# Altium PCB F21-SEND-CTM.PcbDoc
Units mm, origin at the board's own origin, x right, y up, seen from the top; angles counter-clockwise.
Board outline 337.44 x 192.41 mm, 2 copper layers (Top Layer, Bottom Layer); 48 components, 0 nets, 158 pads, 19 vias.
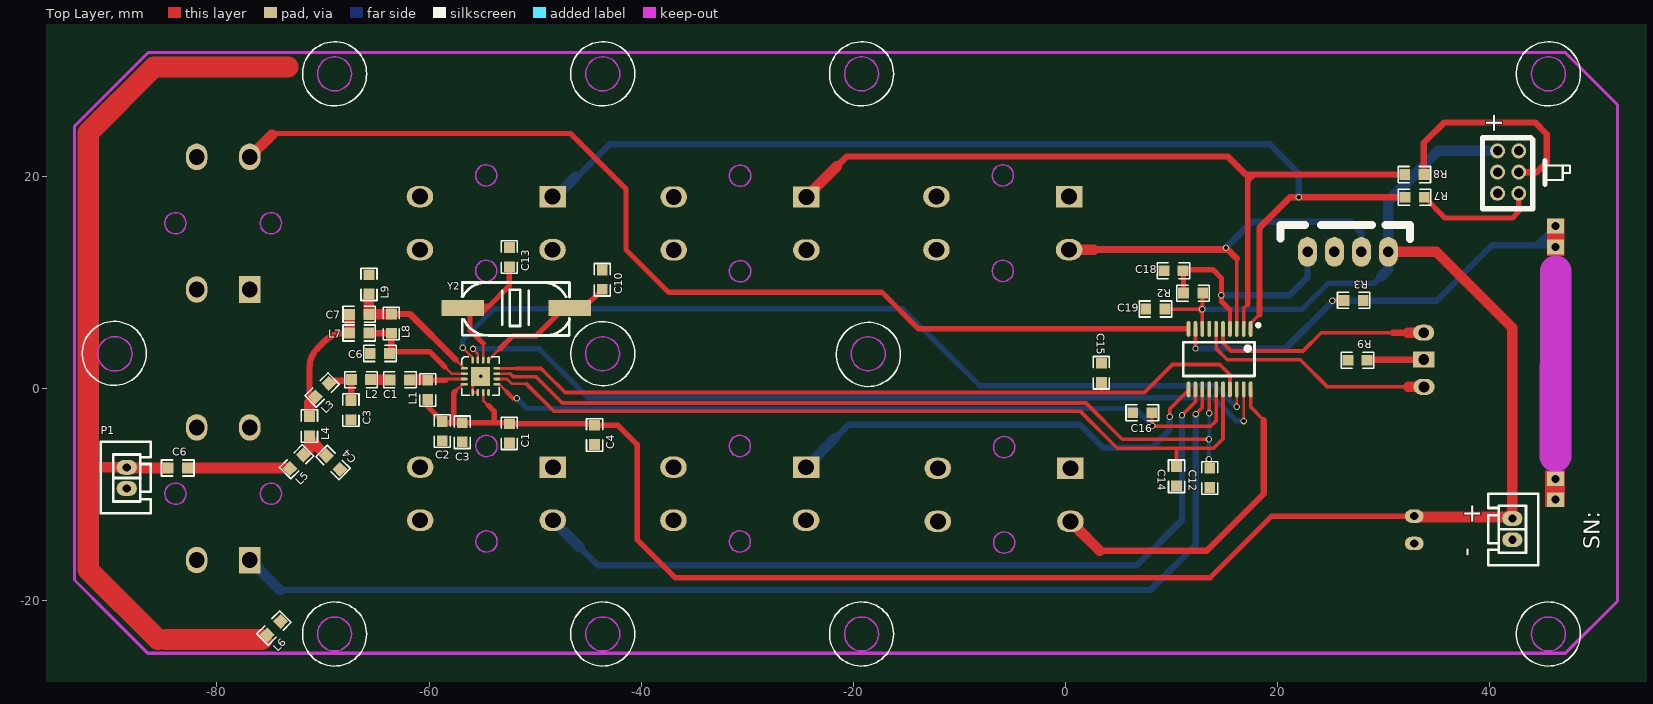
[diagram p0: Top Layer view]
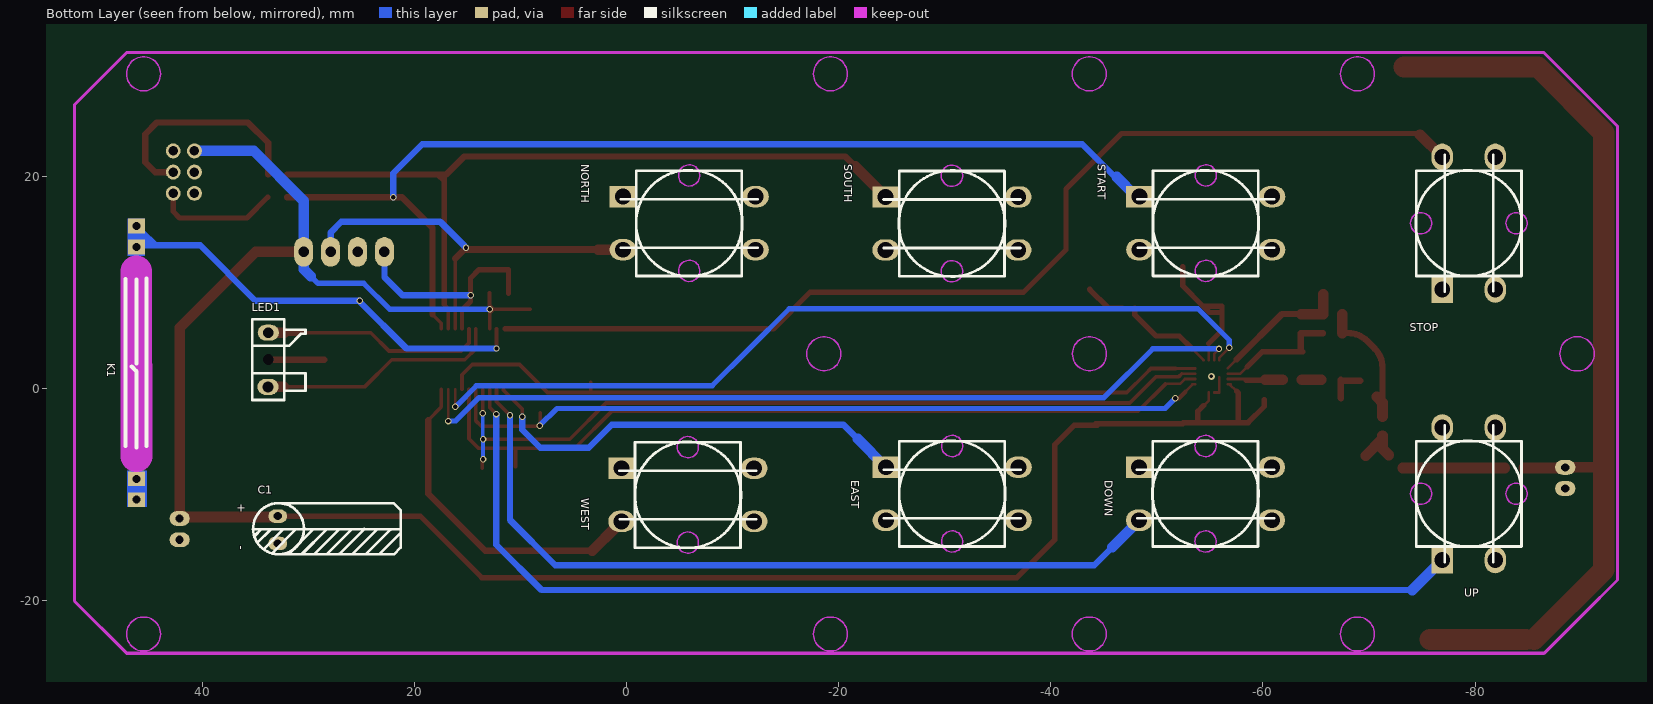
[diagram p1: Bottom Layer view, seen from below]

## Layer stack, top to bottom
Top Layer: signal copper 0.0356
Dielectric: dielectric 0.32, FR-4, Dk 4.8
Bottom Layer: signal copper 0.0356

## Board outline
-171.072,-92.295 166.367,-92.295 166.367,100.11 -171.072,100.11

## Design rules (kind name [scope] priority, off if disabled: settings)
Clearance Clearance_1 [InNamedPolygon('Bottom Layer-No Net')] p1: gap=0.4
Clearance [All] p2: gap=0.4
PolygonConnect PolygonConnect_1 [All vs IsNamedPolygon('Bottom Layer-No Net')] p1: connectstyle=Direct reliefconductorwidth=0.254 reliefentries=4 polygonreliefangle="90 Angle"
PolygonConnect [All] p2: connectstyle=Relief reliefconductorwidth=0.254 reliefentries=4 polygonreliefangle="90 Angle"
RoutingVias [All] p1: holewidth=0.457 width=0.762 viastyle="Through Hole" minholewidth=0.457 minwidth=0.762 maxholewidth=0.711 maxwidth=1.27
SilkscreenOverComponentPads [All] p1: minsilkscreentomaskgap=0.254
SolderMaskExpansion [All] p1: expansion=0.102
Width [All] p1: maxlimit=3 minlimit=0.203 preferedwidth=0.508
27 further rules are at their usual default settings.

## Components (designator, comment, footprint, x,y, rotation, side; value= is the part's Value field where it differs from the comment)
C1 "Cap" SMD-R1 -52.426,-5.105 r90 top (schematic designator C12)
C1 "Cap" SMD-R1 -63.652,0.838 r0 top (schematic designator C12)
C1 "Cap Pol2" EE 32.842,-13.233 r180 bottom (schematic designator C15)
C2 "Cap" SMD-R1 -58.75,-4.902 r90 top (schematic designator C12)
C3 "Cap" SMD-R1 -56.871,-5.004 r90 top (schematic designator C12)
C3 "Cap" SMD-R1 -67.361,-2.921 r90 top (schematic designator C12)
C4 "Cap" SMD-R1 -44.399,-5.258 r90 top (schematic designator C12)
C4 "Cap" SMD-R1 -68.402,-7.595 r135 top (schematic designator C12)
C6 "Cap" SMD-R1 -65.532,3.327 r0 top (schematic designator C12)
C6 "Cap" SMD-R1 -82.779,-7.468 r180 top (schematic designator C12)
C7 "Cap" SMD-R1 -67.488,7.01 r0 top (schematic designator C12)
C10 "Cap" SMD-R1 -43.663,9.373 r90 top (schematic designator C12)
C12 "Cap" SMD-R1 13.589,-7.497 r270 top
C13 "Cap" SMD-R1 -52.426,11.506 r90 top (schematic designator C12)
C14 "Cap" SMD-R1 10.465,-7.341 r270 top (schematic designator C12)
C15 "Cap" SMD-R1 3.378,2.413 r270 top (schematic designator C12)
C16 "Cap" SMD-R1 6.325,-2.261 r0 top (schematic designator C12)
C18 "Cap" SMD-R1 9.271,11.125 r0 top (schematic designator C12)
C19 "Cap" SMD-R1 7.569,7.518 r0 top (schematic designator C12)
DOWN "SW-PB" SW1 -54.583,-9.895 r180 bottom locked (schematic designator S1)
EAST "SW-PB" SW1 -30.707,-9.895 r180 bottom locked (schematic designator S1)
K1 "Relay-SPST" FS 46.203,2.438 r90 bottom
L1 "Cap" SMD-R1 -60.122,-1.016 r90 top (schematic designator C12)
L2 "Cap" SMD-R1 -65.507,0.864 r180 top (schematic designator C12)
L3 "Cap" SMD-R1 -70.714,-0.762 r45 top (schematic designator C12)
L4 "Cap" SMD-R1 -71.272,-4.42 r90 top (schematic designator C12)
L5 "Cap" SMD-R1 -73.127,-7.518 r45 top (schematic designator C12)
L6 "Cap" SMD-R1 -75.26,-23.199 r45 top (schematic designator C12)
L7 "Cap" SMD-R1 -67.488,5.258 r0 top (schematic designator C12)
L8 "Cap" SMD-R1 -63.551,5.232 r90 top (schematic designator C12)
L9 "Cap" SMD-R1 -65.659,8.941 r90 top (schematic designator C12)
LED1 "LEDD" LED3 33.759,2.75 r270 bottom locked
NORTH "SW-PB" SW1 -5.917,15.606 r180 bottom locked (schematic designator S1)
P1 "Header 2" CN02 -88.494,-8.407 r90 top
P5 "CN02" cn02 42.113,-13.233 r270 top
R2 "Cap" SMD-R1 12.929,9.017 r180 top (schematic designator C12)
R3 "Cap" SMD-R1 28.067,8.331 r180 top (schematic designator C12)
R7 "Cap" SMD-R1 33.807,18.059 r180 top (schematic designator C12)
R8 "Cap" SMD-R1 33.78,20.193 r180 top (schematic designator C12)
R9 "Cap" SMD-R1 28.423,2.693 r180 top (schematic designator C12)
SOUTH "SW-PB" SW1 -30.682,15.581 r180 bottom locked (schematic designator S1)
START "SW-PB" SW1 -54.609,15.606 r180 bottom locked (schematic designator S1)
STOP "SW-PB" SW1 -79.399,15.606 r90 bottom (schematic designator S1)
UP "SW-PB" SW1 -79.399,-9.895 r90 bottom locked (schematic designator S1)
WEST "SW-PB" SW1 -5.79,-9.997 r180 bottom locked (schematic designator S1)
Y2 "12MHZ" 晶振贴片 -46.736,7.62 r90 top
烧? "Header 5" XH-5A 27.889,12.903 r180 top
? "Comment" LC-TSSOP-24 13.868,2.794 r180 top

## Footprints (in the part's own frame and the unit in brackets; to place one, negate y for a bottom-side part, rotate by r counter-clockwise, add the part's x,y. Pads: shape width x height; smd on the part's side, far side on the other; paste and mask are expansions set on the pad)
CN02 [mm]
  oval 1.4x1.905 hole 0.762: 1(-1,0) 2(1,0)
  silkscreen extent -3.33,-2.27 3.4,2.44
cn02 [mm]
  oval 1.4x1.905 hole 0.762: 1(-1,0) 2(1,0)
  silkscreen extent -3.33,-2.27 3.4,2.44
EE [mil]
  oval 70x50 hole 30: 1(-0.98,48.1) 2(-0.98,-53.15)
  silkscreen extent -93,-94 455,97
FS [mil]
  rect 55x62.99 hole 30: 1(-507.71,-1.46) 1(-430.21,-1.46) 2(429.58,-1.46) 2(507.71,-1.46)
  Multi-Layer region: -399,34 -399,-40 -535.43,-40 -535.43,34
  Multi-Layer region: 535.43,33 535.43,-33 397,-33 397,33
  silkscreen extent -314,-38 314,40
LC-TSSOP-24 [mm]
  oval 0.35x1.5 smd: 3(-2.275,-2.85) 4(-1.625,-2.85) 7(0.325,-2.85) 8(0.975,-2.85) 9(1.625,-2.85) 10(2.275,-2.85) 11(2.275,2.85) 12(1.625,2.85) 13(0.975,2.85) 14(0.325,2.85) 15(-0.325,2.85) 16(-0.975,2.85) 17(-1.625,2.85) 18(-2.275,2.85) 19(-2.925,2.85) 20(-3.575,2.85) LED1(-0.975,-2.85) LED2(-0.325,-2.85) RXD(-2.925,-2.85) TXD(-3.575,-2.85)
  silkscreen extent -4.45,-3.35 2.76,1.6
LED3 [mm]
  oval 1.5x2 hole 1.016: 1(-2.54,0) 2(2.572,-0.021)
  rect 0x0 / inner rect 0x0 / far side rect 1.5x2 hole 1.016: 3(0,0)
  silkscreen extent -3.8,-1.51 3.8,3.5
SMD-R1 [mil]
  rect 40x40 smd: 1(0,0) 2(71.25,0)
  silkscreen extent -25,-30 96,30
SW1 [mm]
  rect 2.5x2 hole 1.5: 1(-6.25,2.5)
  oval 2.5x2 hole 1.5: 1(6.25,2.5) 2(-6.25,-2.5) 2(6.25,-2.5)
  Keep-Out Layer circle w0.127: c0,-4.5 r1
  Keep-Out Layer circle w0.127: c0,4.5 r1
  silkscreen extent -6.46,-5 6.46,5
XH-5A [mil]
  oval 70x110 hole 39: 2(100,0) 3V3(-100,0) NRST(200,0) SWIM(0,0)
  silkscreen extent -180,-100 300,-47
晶振贴片 [mm]
  rect 1.5x4 smd: 1(-0.007,-0.007) 2(-0.007,10.105)
  silkscreen extent -2.6,-0.01 2.4,10.16

## Part data
C1 C2 C3 C4 C6 C7 C10 C12 C13 C14 C15 C16 C19: "Capacitor"
C1: library part "Cap P", "Capacitor"
L1 L2 L3 L4 L5 L6 L7 L8: library part Inductor, "Inductor"
P1: library part MHDR1X4, "Header, 4-Pin"
R2 R3 R8: library part Res2, "Resistor"

## Free pads (board coordinates)
  oval 0.65x0.25 smd: 1(-56.667,1.918) 2(-56.667,1.418) 3(-56.667,0.918) 4(-56.667,0.418) CSB(-53.617,1.418) FCSB(-53.617,1.918) SCLK(-53.617,0.418) SDIO(-53.617,0.918)
  round 1.4 hole 0.9: 1(40.723,20.422) 4(42.723,22.422) +(40.723,22.422) GND(40.723,18.422) RXD(42.723,20.422) TXD(42.723,18.422)
  oval 0.25x0.65 smd: 5(-55.892,-0.357) 6(-55.392,-0.357) 7(-54.892,-0.357) 8(-54.392,-0.357) 13(-54.392,2.693) 14(-54.892,2.693) GPIO0(-55.392,2.693) GPIO1(-55.892,2.693)
  rect 1.8x1.8 smd: 17(-55.142,1.168)

## Via types
v1: diameter 0.6, hole 0.4, Top Layer to Bottom Layer, 18 vias
v2: diameter 0.66, hole 0.33, Top Layer to Bottom Layer, tented top, 1 vias

## Nets (pads, with @x,y where several pads share a name; then routed paths per layer and width w, separated by ;. In a path a pad name is that pad's centre, name@x,y a point inside that pad or via, vN(x,y) a via of type N, cw(c..) or ccw(c..) an arc to the next point about the centre after c; other vN are vias at no path point)
pads on no net: ?.3 ?.4 ?.7 ?.8 ?.9 ?.10 ?.11 ?.12 ?.13 ?.14 ?.15 ?.16 ?.17 ?.18 ?.19 ?.20 ?.LED1 ?.LED2 ?.RXD ?.TXD C1.1 C1.2 C2.1 C2.2 C3.1 C3.2 C4.1 C4.2 C6.1 C6.2 C7.1 C7.2 C10.1 C10.2 C12.1 C12.2 C13.1 C13.2 C14.1 C14.2 C15.1 C15.2 C16.1 C16.2 C18.1 C18.2 C19.1 C19.2 DOWN.1 DOWN.2 EAST.1 EAST.2 K1.1 K1.2 L1.1 L1.2 L2.1 L2.2 L3.1 L3.2 L4.1 L4.2 L5.1 L5.2 L6.1 L6.2 L7.1 L7.2 L8.1 L8.2 L9.1 L9.2 LED1.1 LED1.2 LED1.3 NORTH.1 NORTH.2 P1.1 P1.2 P5.1 P5.2 R2.1 R2.2 R3.1 R3.2 R7.1 R7.2 R8.1 R8.2 R9.1 R9.2 SOUTH.1 SOUTH.2 START.1 START.2 STOP.1 STOP.2 UP.1 UP.2 WEST.1 WEST.2 Y2.1 Y2.2 烧?.2 烧?.3V3 烧?.NRST 烧?.SWIM
copper on no net: | length 1866.2
  Top Layer w0.25: -60.122,0.794 -59.997,0.918 -57.023,0.918 ; -58.504,2.057 -57.865,1.418 -56.667,1.418 ; -57.543,2.794 -56.667,1.918 ; -57.506,-0.229 -56.859,0.418 -56.667,0.418 -56.933,0.418 ; -57.375,0.918 -56.667,0.918 ; v1(-56.82,3.861) -55.892,2.933 -55.892,2.693 ; -55.892,1.079 -55.892,-0.357 -55.392,-0.357 ; v1(-55.855,3.759) -55.392,3.297 -55.392,2.693 ; -55.575,4.953 -54.892,4.27 -54.892,2.693 ; -54.892,-0.357 -54.892,-1.09 -53.848,-2.134 -53.848,-3.194 ; -54.392,2.693 -53.301,3.785 ; -53.617,0.418 -53.352,0.418 -52.045,-0.889 v1(-51.74,-0.889) ; -53.617,0.918 -52.633,0.918 -52.172,0.457 -50.8,0.457 ; -53.617,1.418 -52.349,1.418 ; v1@16.143,-1.687 16.143,-0.056 ; v1@16.793,-3.048 16.793,-0.056
  Top Layer w0.253: -53.617,1.918 -51.791,1.918
  Top Layer w0.32: -24.432,18.081 -20.618,21.895 13.487,21.895 ; 0.509,13.295 v1(15.128,13.295) 16.143,12.279 16.143,5.644 ; 17.443,-0.056 17.443,-1.721 18.694,-2.972 ; 17.443,5.644 17.443,6.191 18.288,7.036 ; 18.398,20.193 31.97,20.193
  Top Layer w0.35: -52.349,1.418 -52.074,1.143 -49.936,1.143 -47.447,-1.346 1.93,-1.346 5.334,-4.75 v1(13.513,-4.75) ; -51.791,1.918 -49.442,1.918 -48.942,1.418 -47.167,-0.357 2.598,-0.357 7.441,-0.357 10.084,2.286 14.529,2.286 15.493,1.321 15.493,-0.056 ; -50.8,0.457 -48.235,-2.108 -25.959,-2.108 -0.635,-2.108 ; -1.092,-2.108 1.372,-2.108 4.877,-5.613 13.945,-5.613 ; 3.378,-0.305 3.378,0.603 ; v1@8.134,-3.435 8.134,-2.261 ; v1@8.23,-3.531 13.233,-3.531 ; 9.058,7.503 v1(12.893,7.503) ; v1(9.83,-2.642) 9.83,-1.905 11.593,-0.141 11.593,-0.056 ; 10.465,-7.341 10.465,-5.69 ; v1(10.973,-2.489) 12.243,-1.219 12.243,-0.056 ; 11.081,11.125 13.995,11.125 14.681,10.439 v1(14.681,8.814) ; v1(12.243,3.79) 12.243,5.644 ; v1(12.268,-2.388) 12.893,-1.762 12.893,-0.056 ; 12.863,-3.531 13.691,-3.531 14.193,-3.028 14.193,-0.056 ; 12.893,9.017 v1(12.893,7.503) ; 12.929,9.017 12.929,7.899 12.522,7.493 12.893,7.122 12.893,5.644 v1(12.893,7.503) ; v1(13.543,-2.317) 13.543,-0.056 ; 13.589,-7.497 v1@13.589,-6.731 ; 13.614,-5.613 13.945,-5.613 ; 14.193,5.644 14.193,3.79 15.24,2.743 22.123,2.743 24.689,0.178 33.78,0.178 ; v1@14.681,8.839 14.681,8.255 15.493,7.443 15.493,5.644 ; 14.843,-0.056 14.843,-4.715 13.945,-5.613 ; 14.843,5.644 14.843,4.308 15.596,3.556 22.377,3.556 24.111,5.29 33.759,5.29 ; 16.793,5.644 16.793,7.599 17.17,7.976 ; v1@25.171,8.331 26.257,8.331
  Top Layer w0.4: -52.705,-0.279 -52.095,-0.889 v1(-51.74,-0.889)
  Top Layer w0.5: -76.899,21.856 -74.701,24.054 -46.66,24.054 -41.427,18.821 -41.427,13.106 -37.414,9.093 -17.297,9.093 -13.848,5.644 11.455,5.644 ; -63.773,3.48 -59.927,3.48 -58.504,2.057 ; -60.122,-1.016 -60.122,-1.676 -58.604,-3.194 -56.871,-3.194 -52.457,-3.194 ; -60.122,0.794 -58.426,0.794 ; -57.683,-3.194 -57.683,-0.406 -57.506,-0.229 ; -56.083,7.188 -54.955,7.188 -54.37,7.772 ; -54.892,4.27 -56.134,5.512 -56.134,7.772 -54.37,7.772 ; -54.407,-1.575 -53.848,-2.134 -53.848,-3.194 ; -53.301,3.785 -52.107,4.978 -49.911,4.978 -47.904,6.985 -47.904,7.62 ; -52.426,-3.296 -50.717,-3.296 -44.221,-3.296 ; -52.426,11.506 -52.426,9.717 -54.37,7.772 ; -46.729,7.613 -45.423,7.613 -43.663,9.373 ; -44.399,-3.448 -42.196,-3.448 -40.386,-5.258 -40.386,-14.224 -36.805,-17.805 -11.201,-17.805 13.64,-17.805 19.434,-12.012 32.867,-12.012 ; 0.46,-12.497 3.229,-15.265 13.31,-15.265 18.694,-9.881 18.694,-2.972 ; 11.119,9.017 11.119,11.239 13.881,11.239 14.707,10.414 14.707,8.23 15.493,7.443 ; 17.17,7.976 17.17,20.015 ; 17.17,18.923 17.17,19.558 17.755,20.142 ; 33.807,18.059 35.763,16.104 42.113,16.104 42.723,16.713 42.723,18.422 ; 37.186,25.07 44.298,25.07 45.364,24.003 45.364,21.361 44.425,20.422 42.723,20.422
  Top Layer w0.6: -71.272,-1.321 -71.272,1.996 cw(c-68.732,1.996) -70.528,3.792 -69.807,4.514 cw(c-68.01,2.718) -68.01,5.258 -67.488,5.258 ; -69.176,0.754 -67.564,0.754 ; -67.361,-0.889 ccw(c-67.468,-0.782) -67.316,-0.782 -67.316,0.864 ; -65.653,5.232 -63.551,5.232 -63.551,3.531 ; -63.551,7.042 -61.791,7.042 -57.543,2.794 ; -21.565,20.948 -20.618,21.895 15.291,21.895 16.993,20.193 31.97,20.193 ; 0.46,-12.497 3.229,-15.265 13.31,-15.265 18.694,-9.881 18.694,-2.972 ; 2.656,13.106 v1@14.939,13.106 ; 14.402,13.106 v1@15.316,13.106 ; v1(15.128,13.295) 16.143,12.279 ; 18.288,7.036 18.288,15.189 21.158,18.059 v1(21.971,18.059) 31.998,18.059 ; 28.479,2.75 33.759,2.75 ; 30.855,5.29 33.759,5.29 ; 33.78,20.193 33.78,23.188 35.687,25.095 44.272,25.095 45.364,24.003 45.364,21.361 44.425,20.422 42.723,20.422
  Top Layer w1: -91.703,-7.407 -88.494,-7.407 ; -88.433,-7.468 -84.588,-7.468 ; -82.779,-7.468 -73.177,-7.468 ; -76.899,21.856 -74.803,23.952 ; -71.847,-6.239 -71.272,-5.664 -71.272,-4.42 ; -71.272,-2.61 -71.272,-1.321 -70.714,-0.762 ; -71.171,-4.826 -69.682,-6.315 ; -67.488,5.258 -67.488,7.01 ; -65.678,8.922 -65.678,7.01 -63.608,7.01 ; -65.507,0.864 -63.678,0.864 ; -61.843,0.838 -60.211,0.838 ; -24.432,18.081 -21.565,20.948 ; 0.333,13.106 2.656,13.106 ; 0.991,-13.027 3.229,-15.265 ; 30.201,12.903 34.95,12.903 42.113,5.74 42.113,-12.233 ; 32.264,5.29 33.759,5.29 ; 32.309,0.178 33.78,0.178 ; 32.664,-12.09 36.474,-12.09 42.034,-12.09
  Top Layer w2: -85.547,-23.647 -92.126,-17.069 -92.126,24.13 -85.928,30.328 -73.304,30.328 ; -84.785,-23.647 -75.743,-23.647
  Bottom Layer w0.25: v1(-55.855,3.759) -50.546,3.759 ; 14.554,-1.499 16.104,-3.048 v1(16.789,-3.048)
  Bottom Layer w0.32: v1(15.128,13.295) 15.128,13.553 17.374,15.799 26.822,15.799 27.889,14.732 27.889,12.903
  Bottom Layer w0.35: -76.899,-16.145 -74.071,-18.974 7.01,-18.974 ; -48.153,17.866 -42.981,23.038 ; 6.96,-2.261 v1(8.179,-3.48) ; v1(13.513,-6.655) v1(13.513,-4.75) ; v1@13.543,-4.719 v1(13.543,-2.317) ; v1@14.681,8.839 21.234,8.839 22.809,10.414 22.809,12.903 ; v1(25.146,8.306) 34.9,8.306 39.944,13.35
  Bottom Layer w0.5: v1(-56.82,3.861) -56.82,4.597 -53.873,7.544 -39.345,7.544 -29.312,7.544 ; v1(-55.855,3.759) -49.606,3.759 -45.009,-0.838 13.894,-0.838 16.104,-3.048 v1@16.793,-3.048 ; v1(-51.74,-0.889) -50.775,-1.854 6.553,-1.854 v1(8.179,-3.48) ; -29.54,7.544 -15.342,7.544 -11.557,3.759 -8.077,0.279 14.148,0.279 v1(16.129,-1.702) ; v1(12.893,7.503) 22.336,7.503 24.765,9.931 29.083,9.931 30.429,11.278 30.429,12.903
  Bottom Layer w0.6: -74.071,-18.974 8.001,-18.974 12.268,-14.707 v1(12.268,-2.388) ; -48.333,-12.395 -44.091,-16.637 6.706,-16.637 10.973,-12.37 v1(10.973,-2.489) ; -45.989,20.03 -42.981,23.038 19.253,23.038 21.971,20.32 v1(21.971,18.059) ; -24.457,-7.395 -20.465,-3.404 1.397,-3.404 3.556,-5.563 8.128,-5.563 9.83,-3.861 v1(9.83,-2.642) ; v1(12.243,3.79) 20.732,3.79 v1@25.248,8.306 ; v1(14.681,8.814) 21.107,8.814 22.809,10.516 22.809,12.497 ; v1(15.128,13.295) 17.581,15.748 26.873,15.748 27.889,14.732 27.889,12.903 ; v1(25.146,8.306) 34.976,8.306 40.183,13.513 46.003,13.513 46.166,13.35 ; 42.621,13.513 44.374,13.513 45.72,14.859 ; 44.577,13.716 45.237,13.716 45.618,14.097
  Bottom Layer w1: -76.899,-16.145 -74.071,-18.974 ; -48.358,18.106 -48.061,18.106 -46.203,19.964 ; -48.333,-12.395 -45.782,-14.946 ; -24.457,-7.395 -21.79,-4.728 ; 29.756,10.604 30.429,11.278 30.429,12.903 30.429,17.704 35.147,22.422 40.723,22.422
  other v2: -55.142,1.168

## Keep-outs
Top Overlay:
  circle w0.127: c-89.672,3.335 r3.023
  circle w0.127: c45.517,-23.117 r3.023
  circle w0.127: c-19.23,-23.117 r3.023
  circle w0.127: c-43.63,-23.117 r3.023
  circle w0.127: c-68.906,-23.117 r3.023
  circle w0.127: c45.517,29.685 r3.023
  circle w0.127: c-19.23,29.685 r3.023
  circle w0.127: c-43.63,29.685 r3.023
  circle w0.127: c-68.902,29.685 r3.023
  circle w0.127: c-43.624,3.309 r3.023
  circle w0.127: c-18.588,3.233 r3.023
Keep-Out Layer:
  circle w0.127: c-89.612,3.296 r1.621
  circle w0.127: c-43.645,3.297 r1.605
  circle w0.127: c-68.902,29.685 r1.605
  circle w0.127: c-43.63,29.685 r1.605
  circle w0.127: c-19.23,29.685 r1.605
  circle w0.127: c45.517,29.685 r1.605
  circle w0.127: c-18.608,3.295 r1.605
  circle w0.127: c-68.902,-23.117 r1.605
  circle w0.127: c-43.63,-23.117 r1.605
  circle w0.127: c-19.23,-23.117 r1.605
  circle w0.127: c45.517,-23.117 r1.605
  lines w0.305: -91.745,-19.687 -86.489,-24.943 ; -86.494,-24.935 47.099,-24.935 52.024,-20.01 52.024,23.523 ; 47.099,-24.948 -86.494,-24.948 -93.416,-18.027 -93.416,24.755 -86.478,31.694 47.097,31.694 52.024,26.766 52.024,23.35
  lines w3: 46.185,-6.324 46.203,11.074

## Silkscreen, mask and mechanical layers (free items; w line width, h text height)
Top Overlay:
  lines w0.127: -56.92,0.025 -56.92,-0.635 -56.158,-0.635 ; -56.895,2.261 -56.895,2.794 -56.666,3.023 -56.234,3.023 ; -54.126,2.997 -53.364,2.997 -53.364,2.337 ; -54.024,-0.635 -53.364,-0.635 -53.364,0.127
  lines w0.2: 45.234,21.057 47.549,21.057 47.549,20.371 47.523,20.345 46.914,20.345 ; 45.288,19.668 46.855,19.668 46.863,19.676 46.863,21.057
  lines w0.5: 44.044,16.942 44.044,23.47 43.84,23.673 39.294,23.673 39.294,16.967 44.044,16.967 ; 45.187,19.253 45.187,21.488
  text "+" at 41.758,24.054 h3 r90
  text "+" at 37.338,-13.157 h3
  text "SN:" at 50.368,-15.138 h1.52 r90
  text "-" at 39.167,-15.85 h3 r90

## Text inside footprints (layer, text, board x,y; h text height)
C1: Bottom Overlay "+" at 36.617,-11.708 h0.76 r90; Bottom Overlay "-" at 36.642,-15.158 h0.76 r90